# KiCad board DFTBoard.kicad_pcb (continued)
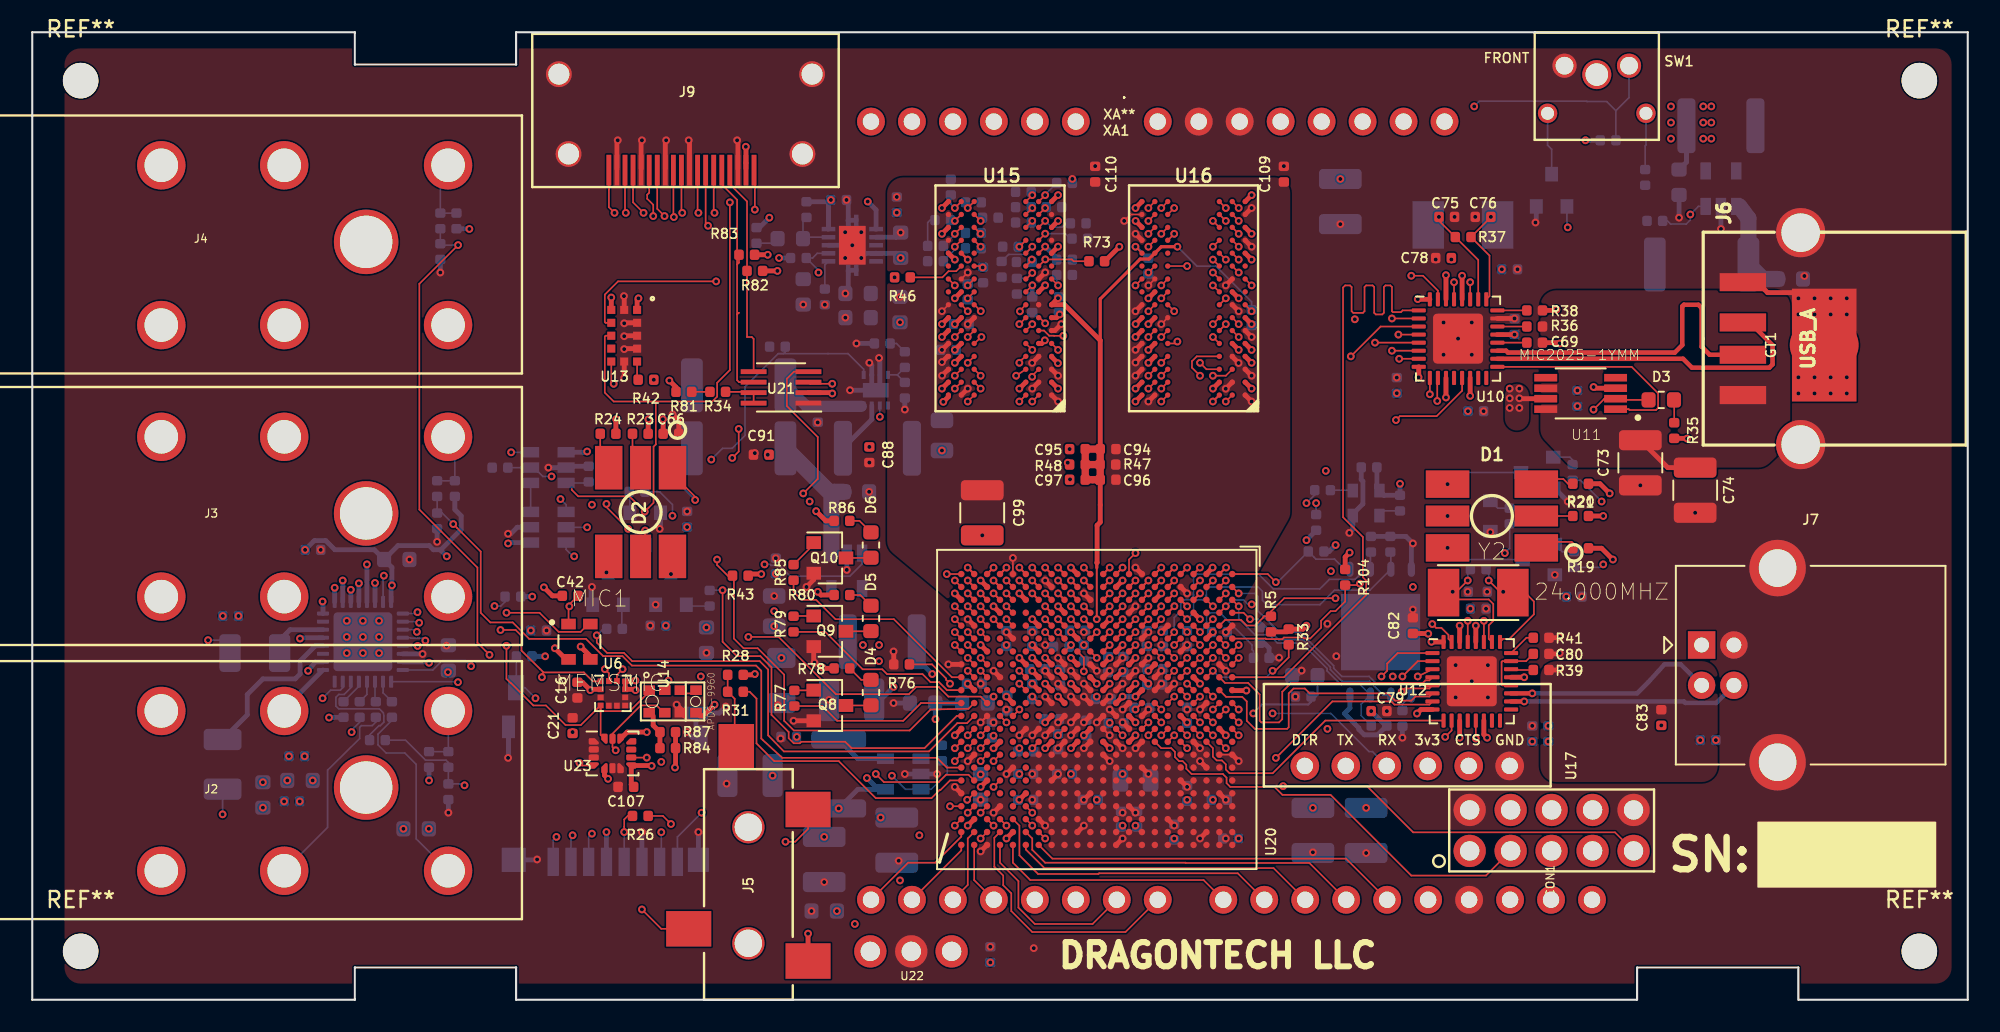
[diagram p0: board, top side]
## Routing (per net, layer and track width the routed paths; a pad name or vN(x,y) marks a point on that pad's centre or on a via; arc(x,y) is an arc through that point) (continued)
  SIGNAL4 w0.102: v1(73.2,44.3) 70.4,41.5 70.4,36.65 65.16,31.41 64.47,30.72 64.45,30.7 64.42,30.69 64.39,30.68 64.36,30.68 64.32,30.69 64.3,30.7 64.27,30.72 64.14,30.85 64.11,30.87 64.09,30.89 64.06,30.89 64.02,30.89 63.99,30.89 63.97,30.87 63.94,30.85 63.86,30.77 63.84,30.74 63.82,30.72 63.82,30.68 63.82,30.65 63.82,30.62 63.84,30.59 63.86,30.57 64.32,30.11 64.34,30.08 64.35,30.05 64.36,30.02 64.36,29.99 64.35,29.96 64.34,29.93 64.32,29.91 64.24,29.82 64.21,29.8 64.18,29.79 64.15,29.78 64.12,29.78 64.09,29.79 64.06,29.8 64.04,29.82 63.57,30.29 63.55,30.31 63.52,30.32 63.49,30.33 63.46,30.33 63.43,30.32 63.4,30.31 63.38,30.29 63.29,30.2 63.27,30.18 63.26,30.15 63.25,30.12 63.25,30.09 63.26,30.06 63.27,30.03 63.29,30 63.75,29.54 63.77,29.52 63.79,29.49 63.79,29.46 63.79,29.43 63.79,29.4 63.77,29.37 63.75,29.34 63.67,29.26 63.65,29.24 63.62,29.22 63.59,29.22 63.56,29.22 63.52,29.22 63.5,29.24 63.47,29.26 63.01,29.72 62.98,29.74 62.95,29.75 62.92,29.76 62.89,29.76 62.86,29.75 62.83,29.74 62.81,29.72 62.72,29.64 62.71,29.61 62.69,29.58 62.68,29.55 62.68,29.52 62.69,29.49 62.71,29.46 62.72,29.44 63.19,28.97 63.21,28.95 63.22,28.92 63.23,28.89 63.23,28.86 63.22,28.83 63.21,28.8 63.19,28.78 63.1,28.69 63.08,28.67 63.05,28.66 63.02,28.65 62.99,28.65 62.96,28.66 62.93,28.67 62.91,28.69 62.77,28.82 62.75,28.84 62.72,28.86 62.69,28.87 62.66,28.87 62.63,28.86 62.6,28.84 62.57,28.82 62.4,28.65 62.4,24.95 62.55,24.8 63.05,24.8 63.2,24.65 63.2,24 v1(62.8,23.6)
  BOTTOM w0.3: R69.1 62,44.3 v1(62,44.31)
DDR3_VTT: length 3.4
  TOP_GND w0.3: 67.35,46.75 v1(67.4,46.7) 66.5,45.8 R73.2
  BOTTOM w0.102: R57.2 55.67,48.35 55.51,48.19 R55.2 ; 58.09,46.7 58,46.78
DDR3_VTT_EN: length 67.7
  TOP_GND w0.102: U20.B6 73.6,22.38 v1(73.98,22)
  SIGNAL4 w0.102: v1(73.98,22) 73.98,22.07 74.52,22.6 75.09,22.6 75.89,23.41 75.89,23.79 75.56,24.12 75.42,24.12 75.21,24.33 75.21,24.71 75.51,25 75.51,25.71 80.9,31.1 80.9,46.31 76.91,50.3 63.3,50.3 63.2,50.4 53.62,50.4 51.01,47.79 51.01,47.54 48.75,45.28 v1(48.75,45.1)
  BOTTOM w0.102: U8.7 48.67,46.29 48.38,46 R25.2 48.75,45.24 v1(48.75,45.1)
DDR3_WE#: length 41.8
  TOP_GND w0.102: U16.L3 v1(73.2,45.9) ; U15.L3 61.97,45.87
  TOP_GND w0.13: U20.R4 v1(62.8,24.4)
  SIGNAL4 w0.102: v1(62.8,24.4) 62.2,24.4 61.6,25 61.6,28.93 69.6,36.92 69.6,42.08 72.65,45.13 72.65,45.35 v1(73.2,45.9) 70.5,45.9 70.1,45.5 68.1,45.5 68.06,45.51 68.01,45.52 67.98,45.54 67.94,45.58 67.92,45.61 67.91,45.66 67.9,45.7 67.9,45.79 67.89,45.83 67.88,45.88 67.86,45.91 67.82,45.95 67.79,45.97 67.74,45.98 67.7,45.99 67.66,45.98 67.61,45.97 67.58,45.95 67.54,45.91 67.52,45.88 67.51,45.83 67.5,45.79 67.5,45.21 67.49,45.17 67.48,45.12 67.46,45.09 67.42,45.05 67.39,45.03 67.34,45.02 67.3,45.01 67.26,45.02 67.21,45.03 67.18,45.05 67.14,45.09 67.12,45.12 67.11,45.17 67.1,45.21 67.1,45.3 67.09,45.34 67.08,45.39 67.06,45.42 67.02,45.46 66.99,45.48 66.94,45.49 66.9,45.5 62.95,45.5 62.93,45.52 62.62,45.52 62.3,45.84 62.04,45.84 v1(61.97,45.91)
HDMI_B_N: length 42.7
  TOP_GND w0.102: U20.AA8 v1(58,21.2) ; J9.3 36.75,48.85 v1(36.8,48.8)
  SIGNAL1 w0.102: v1(36.8,48.8) 36.45,48.45 36.45,47.1 36.7,46.85 37.93,46.85 41.4,43.39 41.4,35.8 42.91,34.29 42.91,33.31 55.35,20.87 56.27,20.87 56.6,21.2 v1(58,21.2)
HDMI_B_P: length 43.4
  TOP_GND w0.102: v1(36.1,48.8) 35.75,49.15 35.75,50.25 ; 35.75,50.25 J9.1 ; 35.75,50.25 35.75,50.45 ; U20.AA9 v1(58,20.4)
  SIGNAL1 w0.102: v1(36.1,48.8) 36.1,46.85 36.3,46.65 37.85,46.65 41.2,43.3 41.2,35.72 42.71,34.21 42.71,33.22 55.26,20.66 56.35,20.66 56.62,20.4 v1(58,20.4)
HDMI_CEC: length 36.8
  TOP_GND w0.102: v1(41.9,48) 41.75,48.15 J9.13 ; U20.W5 v1(59.6,23.6)
  SIGNAL1 w0.102: v1(41.9,48) 44.2,45.7 44.2,37.62 57.02,24.8 58.18,24.8 58.41,24.57 58.41,24.21 58.63,23.99 59.21,23.99 v1(59.6,23.6)
HDMI_CLK_N: length 42.2
  TOP_GND w0.102: J9.12 41.25,48.85 v1(41.3,48.8) ; U20.Y8 v1(58.8,21.2)
  SIGNAL2 w0.102: v1(41.3,48.8) 41.3,48.4 40.9,48 40.9,36.99 42.89,34.99 45.31,34.99 49.32,30.98 49.32,26.55 54.28,21.59 58.41,21.59 v1(58.8,21.2)
HDMI_CLK_P: length 42.8
  TOP_GND w0.102: J9.10 40.25,48.85 v1(40.3,48.8) ; U20.Y9 v1(58.8,20.4)
  SIGNAL2 w0.102: v1(58.8,20.4) 58.39,20.81 57.37,20.81 56.79,21.39 54.19,21.39 49.12,26.46 49.12,30.89 ; 49.12,30.89 49.11,30.89 ; 49.12,30.89 46.91,33.11 46.89,33.11 45.21,34.79 42.81,34.79 40.7,36.9 40.7,48 40.3,48.4 v1(40.3,48.8)
HDMI_G_N: length 41.2
  TOP_GND w0.102: v1(38.5,48.6) 38.5,49.3 38.12,49.67 38.12,49.92 38.25,50.05 J9.6 ; U20.AA6 v1(58,22.8)
  SIGNAL1 w0.102: v1(38.5,48.6) 38.5,47.65 42.5,43.65 42.5,42.22 42.38,42.1 42.25,42.1 42.2,42.05 42.2,41.85 42.25,41.8 42.61,41.8 42.65,41.8 42.69,41.78 42.73,41.76 42.76,41.73 42.78,41.69 42.79,41.65 42.8,41.61 42.8,41.28 42.79,41.24 42.78,41.2 42.76,41.17 42.73,41.14 42.69,41.11 42.65,41.1 42.61,41.1 42.29,41.1 42.2,41.01 42.2,40.9 42.3,40.8 42.61,40.8 42.65,40.8 42.69,40.78 42.73,40.76 42.76,40.73 42.78,40.69 42.79,40.65 42.8,40.61 42.8,40.28 42.79,40.24 42.78,40.2 42.76,40.17 42.73,40.14 42.69,40.11 42.65,40.1 42.61,40.1 42.5,40.1 42.5,39.33 42.5,35.6 55.7,22.4 57.6,22.4 v1(58,22.8)
HDMI_G_P: length 42
  TOP_GND w0.102: v1(37.9,48.8) 37.25,49.45 J9.4 ; v1(58,22) U20.AA7
  SIGNAL1 w0.102: v1(37.9,48.8) 37.9,47.96 42.3,43.57 42.3,42.3 42.18,42.3 42.14,42.3 42.1,42.28 42.06,42.26 42.03,42.23 42.01,42.19 42,42.15 41.99,42.11 41.99,41.78 42,41.74 42.01,41.7 42.03,41.67 42.06,41.64 42.1,41.61 42.14,41.6 42.18,41.6 42.5,41.6 42.59,41.5 42.59,41.39 42.5,41.3 42.19,41.3 42.14,41.3 42.1,41.28 42.07,41.26 42.04,41.23 42.02,41.19 42,41.15 42,41.11 42,40.78 42,40.74 42.02,40.7 42.04,40.67 42.07,40.64 42.1,40.61 42.14,40.6 42.19,40.6 42.5,40.6 42.59,40.51 42.59,40.34 42.55,40.3 42.41,40.3 42.29,40.18 42.29,39.7 42.29,35.52 56.2,21.61 57.62,21.61 58,21.99 v1(58,22)
HDMI_HEAC_N: length 41.1
  TOP_GND w0.102: 44.75,50.55 44.8,50.5 v1(44.8,49) ; U20.AB6 v1(57.2,22.8)
  SIGNAL2 w0.102: 46.41,35.62 46.07,35.95 ; 46.41,35.62 46.07,35.95 ; 46.41,35.62 46.41,35.45 ; 46.41,35.62 46.41,35.45 ; 46.07,35.95 45.9,35.95 45.59,35.64 45.53,35.64 45.44,35.74 45.44,35.89 45.66,36.11 45.7,36.16 45.7,36.33 45.36,36.66 45.19,36.66 44.93,36.4 44.78,36.4 44.71,36.47 44.71,36.56 44.7,36.56 44.7,36.9 43.7,37.9 43.7,47.9 v1(44.8,49) ; 46.41,35.45 46.21,35.25 46.2,35.26 46.06,35.12 46.28,34.9 46.58,35.2 46.81,35.2 47.09,34.92 47.09,34.72 46.86,34.49 46.85,34.49 46.85,34.32 46.98,34.19 47.28,34.49 47.52,34.49 47.77,34.24 47.77,33.99 47.56,33.78 47.56,33.61 47.63,33.55 47.75,33.55 47.79,33.59 47.79,33.59 47.97,33.76 48.25,33.76 48.46,33.55 48.46,33.13 51.2,30.4 51.2,26.6 55,22.8 v1(57.2,22.8) ; 46.41,35.45 46.24,35.28
HDMI_HEAC_P: length 41.7
  TOP_GND w0.102: v1(42.3,48.8) 42.25,48.85 J9.14 ; U20.AB7 v1(57.2,22)
  SIGNAL2 w0.102: v1(42.3,48.8) 43.5,47.6 43.5,37.82 44.5,36.81 44.5,36.39 44.7,36.2 45.02,36.2 45.21,36.38 45.35,36.38 45.43,36.31 45.43,36.17 45.35,36.09 45.23,35.97 45.23,35.65 45.45,35.44 45.67,35.44 45.93,35.69 46.05,35.69 46.15,35.59 46.15,35.48 46.13,35.46 46.11,35.46 45.85,35.2 45.85,35.03 46.19,34.7 46.36,34.7 46.66,35 46.73,35 46.89,34.84 46.89,34.81 46.88,34.81 46.56,34.49 46.56,34.32 46.9,33.99 47.07,33.99 47.24,34.16 47.24,34.16 47.37,34.29 47.44,34.29 47.57,34.16 47.57,34.07 47.54,34.05 47.53,34.05 47.27,33.79 47.27,33.62 47.6,33.28 47.77,33.28 48.05,33.56 48.17,33.56 48.26,33.47 48.26,33.05 51,30.32 51,26.52 55.51,22 v1(57.2,22)
HDMI_R_N: length 41
  TOP_GND w0.102: U20.Y5 v1(58.8,23.6) ; v1(39.78,48.54) 39.75,48.57 J9.9
  SIGNAL1 w0.102: 58.73,23.6 v1(58.8,23.6) 58.58,23.6 58.18,24 56.09,24 51.5,28.58 51.5,28.88 49.48,30.91 49.48,31.33 49.11,31.7 48.94,31.7 48.67,31.43 48.55,31.43 48.45,31.53 48.45,31.6 48.55,31.7 48.55,31.71 48.74,31.9 48.74,32.07 48.4,32.41 48.23,32.41 47.99,32.18 47.99,32.17 47.95,32.12 47.85,32.12 47.76,32.21 47.76,32.34 48.03,32.61 48.03,32.78 47.69,33.12 47.52,33.12 47.4,33 47.28,32.88 47.1,32.88 47.01,32.97 47.01,33 47.03,33.02 47.12,33.11 47.12,33.28 45.24,35.14 43.5,36.89 43.5,45.79 41.64,47.64 40.67,47.64 v1(39.78,48.54)
HDMI_R_P: length 42.2
  TOP_GND w0.102: v1(39.2,48.6) 38.75,49.05 J9.7 ; U20.Y6 v1(58.8,22.8)
  SIGNAL1 w0.102: 48.22,31.67 48.21,31.63 48.2,31.59 48.2,31.55 48.21,31.51 48.22,31.47 48.25,31.44 48.49,31.2 48.52,31.18 48.56,31.16 48.6,31.15 48.64,31.15 48.68,31.16 48.72,31.18 48.75,31.2 48.89,31.35 48.89,31.36 49.03,31.49 49.25,31.27 49.17,31.19 49.14,31.16 49.12,31.12 49.11,31.08 49.11,31.04 49.12,31 49.14,30.97 49.17,30.93 51.3,28.8 51.3,28.5 56.61,23.19 58.41,23.19 v1(58.8,22.8) ; 48.22,31.67 48.22,31.68 48.5,31.95 48.5,32.02 48.37,32.15 48.28,32.15 48.04,31.91 48.01,31.89 47.97,31.87 47.93,31.86 47.89,31.86 47.85,31.87 47.81,31.89 47.78,31.91 47.54,32.15 47.52,32.18 47.5,32.22 47.49,32.26 47.49,32.3 47.5,32.34 47.52,32.38 47.54,32.41 47.65,32.52 47.66,32.52 47.75,32.61 47.75,32.75 47.71,32.81 47.5,32.81 47.47,32.78 47.48,32.76 47.33,32.62 47.3,32.59 47.26,32.58 47.22,32.57 47.18,32.57 47.14,32.58 47.1,32.59 47.07,32.62 46.84,32.86 46.81,32.89 46.79,32.93 46.78,32.97 46.78,33.01 46.79,33.05 46.81,33.08 46.84,33.12 46.92,33.2 45.1,35 43.3,36.8 43.3,45.7 41.6,47.4 40.34,47.4 39.2,48.54 v1(39.2,48.6) ; 48.22,31.67 48.25,31.7
HPCOM_N: length 9.8
  BOTTOM w0.3: U9.20 17.55,21.95 16.61,21.01 16.61,20.21 16.3,19.9 14.3,19.9 13.33,18.93 13.33,17.67 C48.1
HPCOM_P: length 3
  BOTTOM w0.3: 15.34,22.3 15.99,22.95 U9.22
I2C5_HDMI_SCLK: length 15.3
  TOP_GND w0.102: 43.7,42.5 43.7,38.42 43.82,38.3 44.72,38.3 ; 43.7,42.5 43.7,45.6 ; 43.7,42.5 43.8,42.6 43.81,42.6 ; 43.7,45.6 43.81,45.72 R83.2 ; 43.7,45.6 43.7,49.61 42.75,50.56 J9.15
I2C5_HDMI_SDA: length 14.1
  TOP_GND w0.102: 44.31,44.42 44.31,49.51 43.25,50.57 J9.16 ; 44.31,44.42 44.31,41.1 44.61,41.1 44.72,40.98 44.72,38.95 ; 44.31,44.42 R82.2
I2C33_HDMI_SCLK: length 30.4
  TOP_GND w0.102: v1(49.6,38.2) 48.22,38.2 U21.3 ; U20.U9 v1(61.2,20.4)
  SIGNAL2 w0.102: v1(48.2,30.9) 48.2,29.54 48.32,29.42 48.32,26.97 52.89,22.4 52.89,21.53 53.23,21.18 55.4,21.18 56.58,20 60.8,20 v1(61.2,20.4)
  SIGNAL4 w0.102: v1(49.6,38.2) 48.2,36.8 v1(48.2,30.9)
I2C33_HDMI_SDA: length 32.4
  TOP_GND w0.102: U21.4 47.22,38.95 46.79,38.51 46.79,36.81 48.7,34.9 48.7,32.3 v1(47.8,31.4) ; U20.U10 v1(61.2,19.6)
  SIGNAL2 w0.102: v1(47.8,31.4) 47.41,31.01 47.41,27.19 48.78,25.82 48.78,25.8 52.11,22.47 52.11,21.81 52.31,21.61 52.52,21.61 54.93,19.2 60.8,19.2 v1(61.2,19.6)
I2C33_SCLK: length 165.6
  TOP_GND w0.102: v1(42.4,44.55) 36.32,44.55 35.5,43.73 35.5,42.03 35.55,41.98 U13.10 ; v1(43.8,35.4) 43.8,34 v1(43.4,33.6) ; 31.7,20.3 34.2,20.3 34.75,19.75 U6.1 ; 31.7,20.3 31.5,20.5 30.33,21.65 30.33,22.57 29.97,22.93 v1(29.03,22.93) ; 31.7,20.3 31.6,20.2 v1(31.6,20) ; U14.7 39.16,17.8 38.7,18.25 37.73,18.25 35.98,16.5 U23.13 35.98,15.67 v1(36.17,15.47) ; U20.C5 v1(73.2,23.6)
  SIGNAL2 w0.102: 79.6,31.1 79.6,31 ; 79.6,31.1 v1(79.6,30.8) ; 79.6,31.1 79.6,44.5 89.01,53.91 89.01,55.29 88.3,56 51.8,56 49.28,53.47 49.28,51.53 47.75,50 42.56,50 41.91,49.34 41.91,48.61 42.4,48.12 v1(42.4,44.55) 42.4,39.2 42.5,39.1 42.5,36.7 v1(43.8,35.4) ; v1(36.17,15.47) 31.64,20 v1(31.6,20) ; v1(27.21,20.69) 27.21,21.55 28.59,22.93 v1(29.03,22.93) 29.79,23.69 29.79,24.49 32.41,27.11 33.79,27.11 39.79,33.11 42.29,33.11 42.49,33.31 42.49,33.69 42.78,33.41 42.78,32.97 v1(43.4,33.6)
  SIGNAL4 w0.102: v1(73.2,23.6) 73.61,24.01 73.61,24.59 73.82,24.8 74.3,24.8 74.41,24.91 74.41,25.59 79.6,30.79 v1(79.6,30.8)
  BOTTOM w0.102: v1(27.21,20.69) 26.87,21.03 25.41,21.03 24.84,20.45 U9.8 ; R103.2 v1(79.6,30.8)
I2C33_SDA: length 146.1
  TOP_GND w0.102: 38.65,37.1 36.05,37.1 35.5,37.65 35.5,41.13 35.55,41.18 U13.9 ; 38.65,37.1 38.66,37.09 38.66,34.44 38.52,34.3 38.52,30.82 v1(37.97,30.27) 37.02,31.22 33.85,31.22 33.45,31.62 33.45,31.68 ; 38.65,37.1 42.16,37.1 42.46,37.4 42.46,38.26 43.25,39.05 v1(43.25,49.45) ; U23.14 35.24,16.43 U6.4 ; U6.4 35.22,18.25 34.01,17.04 33.06,17.04 31.85,18.25 31.07,18.25 29.69,19.63 29.67,19.63 29.4,19.9 v1(29.4,21.95) ; U6.4 35.24,17.97 35.31,17.9 37.05,17.9 38.05,18.9 38.4,18.9 38.5,19 ; U20.A6 76.47,22.4 76.5,22.37 77.51,22.37 77.6,22.46 78.81,22.46 78.86,22.41 79.24,22.41 79.91,23.08 79.91,23.5 80.5,24.1 80.8,24.1 81.4,24.7 81.4,25.72 82.22,25.72 v1(82.31,25.81)
  SIGNAL2 w0.102: v1(37.97,30.27) 37.27,30.27 v1(29.4,21.95) 27.9,21.95 27.6,21.65 27.6,20.44 26.85,19.69 v1(26.39,19.69)
  SIGNAL4 w0.102: v1(43.25,49.45) 45.07,51.28 48.88,51.28 49.7,52.1 76.52,52.1 81.9,46.72 81.9,42.68 81.6,42.38 81.6,40.9 82.31,40.19 v1(82.31,25.81)
  BOTTOM w0.102: v1(26.39,19.69) 26.36,19.72 U9.9
I2S_ADCSD: length 40.8
  TOP_GND w0.102: U20.AB15 v1(57.2,14.8)
  SIGNAL1 w0.102: v1(57.2,14.8) 39.9,14.8 38.65,16.05 24.95,16.05 23.6,17.4 23.6,21.65 v1(23.89,21.94)
  BOTTOM w0.102: U9.5 23.88,21.95 v1(23.89,21.94)
I2S_BCLK: length 39.4
  TOP_GND w0.102: U20.AA13 v1(58,16.4)
  SIGNAL1 w0.102: v1(23.99,23.38) 24.63,23.38 25.36,22.65 25.55,22.65 26.81,21.39 26.81,20.5 27.02,20.29 27.66,20.29 30.15,17.8 33.08,17.8 33.09,17.79 47.29,17.79 49.08,16 57.6,16 v1(58,16.4)
  BOTTOM w0.102: U9.2 23.92,23.45 v1(23.99,23.38)
I2S_DACSD: length 40.1
  TOP_GND w0.102: U20.AA14 v1(58,15.6)
  SIGNAL1 w0.102: v1(24.37,22.27) 29.15,17.5 29.65,17 39.15,17 40.95,15.2 56.5,15.2 ; 56.5,15.2 57.6,15.2 v1(58,15.6) ; 56.5,15.2 56.8,15.2 ; 57.1,15.2 56.8,15.2 ; 56.8,15.2 57.5,15.2
  BOTTOM w0.102: U9.4 23.45,22.45 23.48,22.42 24.22,22.42 v1(24.37,22.27)
I2S_LRCLK: length 38.3
  TOP_GND w0.102: U20.AB14 v1(57.2,15.6)
  SIGNAL1 w0.102: v1(57.2,15.6) 47.52,15.6 47.01,16.11 47.01,16.39 46,17.4 29.81,17.4 27.12,20.09 26.93,20.09 25.5,21.53 25.5,21.57 25.16,21.9 25.16,22.4 24.75,22.81 v1(23.85,22.81)
  BOTTOM w0.102: U9.3 23.71,22.95 v1(23.85,22.81)
I2S_MCLK: length 41.4
  TOP_GND w0.102: U20.Y13 v1(58.8,16.4)
  SIGNAL1 w0.102: 49.44,17.69 48.33,18.8 38.38,18.8 38.18,18.6 36.7,18.6 34.9,20.4 28.71,20.4 26.05,23.06 25.24,23.06 24.26,24.04 v1(23.88,24.04) ; 49.44,17.69 51.09,17.69 ; 49.44,17.69 51.09,17.69 ; v1(58.8,16.4) 58.41,16.79 57.61,16.79 57.6,16.8 55.6,16.8 54.71,17.69 51.09,17.69
  BOTTOM w0.102: U9.1 23.8,23.95 v1(23.88,24.04)
IMU_INT1: length 34.6
  TOP_GND w0.102: U23.4 34.09,14.52 v1(33.92,14.69) ; U20.W15 v1(59.6,14.8)
  SIGNAL1 w0.102: v1(39,14.75) 39,14.41 38.7,14.11 37.33,14.11 36.74,14.69 v1(33.92,14.69)
  SIGNAL2 w0.102: v1(59.6,14.8) 59.21,14.41 55.38,14.41 54.27,13.3 51.62,13.3 51.3,13.62 51.3,15.29 47.4,19.19 42.13,19.19 39.24,16.3 39.24,14.99 v1(39,14.75)
IMU_INT2: length 27.8
  TOP_GND w0.102: v1(38.1,15.02) 37.15,15.02 U23.9 ; U20.Y15 v1(58.8,14.8)
  SIGNAL2 w0.102: v1(38.1,15.02) 38.1,15.45 42.05,19.4 47.49,19.4 52.69,14.19 52.69,13.92 53.11,13.5 54.18,13.5 55.89,15.21 58.39,15.21 v1(58.8,14.8)
INIT_B: length 0.6
  TOP_GND w0.13: U20.T14 v1(62,15.6)
IR_RX: length 13.4
  TOP_GND w0.102: U20.AA18 58,12.4
  SIGNAL1 w0.102: v1(57.97,12.4) 55.92,12.4 53.89,10.37 53.89,9.61 53.33,9.04 53.33,4.62 51.96,3.25
JD_HOUT: length 18.3
  TOP_GND w0.102: U20.AB17 56.9,13.6 56.3,13 56.25,13 55.75,12.5 52.3,12.5 50,14.8 46,14.8 44.9,15.9 44.9,18.68 44.48,19.1 R31.1
JD_IN: length 40.6
  TOP_GND w0.102: U20.W17 v1(59.6,13.2)
  SIGNAL1 w0.102: v1(26.8,13.3) 27.3,12.8 59.2,12.8 v1(59.6,13.2)
  BOTTOM w0.102: v1(26.8,13.3) 26.72,13.38 25.8,13.38 R18.1 25.8,14.71 25.65,14.86 24.38,14.86 23.14,16.1 R105.2
JD_LOUT: length 44.7
  TOP_GND w0.102: U20.AB16 56.7,14.4 56.1,15 46.5,15 45.3,16.1 45.2,16.2 45.2,20.38 45.15,20.45 44.88,20.72 37.18,20.72 36.6,21.31 35.4,21.31 34.33,22.38 30.81,22.38 29.79,23.4 28.4,23.4 27.8,24 27.8,27.8 v1(26.1,29.5)
  BOTTOM w0.102: v1(26.1,29.5) 25.42,30.19 C63.1 25.1,31.22
JD_ROUT: length 65.6
  TOP_GND w0.102: v1(26.4,46.8) 24,44.4 24,30.4 27.6,26.8 27.6,22.14 v1(28.35,21.39) ; U20.AB19 v1(56.9,12)
  SIGNAL2 w0.102: v1(56.9,12) 56,12 53.3,9.3 42.98,9.3 30.89,21.39 v1(28.35,21.39)
  BOTTOM w0.102: R32.1 C64.1 25.39,46.8 v1(26.4,46.8)
LCD_D0: length 7.5
  TOP_GND w0.102: XA1.D0 54.3,8.5 55.98,8.5 57.6,10.12 U20.AB21
LCD_D1: length 4.7
  TOP_GND w0.102: XA1.D1 57.6,9.26 U20.AB22
LCD_D2: length 37.5
  TOP_GND w0.102: U20.U19 v1(62,11.6)
  SIGNAL1 w0.102: v1(62,11.6) 62.41,11.19 62.99,11.19 64.2,9.98 64.22,9.98 65.1,9.1 69.8,9.1 70.6,8.3 87,8.3 87.7,7.6 95.3,7.6 XA1.SCL
LCD_D3: length 38.2
  TOP_GND w0.102: U20.W20 v1(60.4,10.8)
  SIGNAL1 w0.102: XA1.SDA 92.76,4.8 66.7,4.8 66,5.5 66,6.9 65.5,7.4 64.5,7.4 63.6,8.3 62.9,8.3 v1(60.4,10.8)
LCD_D4: length 41.2
  TOP_GND w0.102: U20.V5 v1(60.4,23.6)
  SIGNAL2 w0.102: XA1.A5 50,52.46 50,49.5 51.46,48.04 51.54,48.04 51.79,47.79 51.79,45.79 51.6,45.6 51.6,40.4 50.3,39.1 50.3,32.1 52.3,30.1 52.3,26.5 55.6,23.2 55.9,23.2 55.91,23.21 60.01,23.21 v1(60.4,23.6)
LCD_D5: length 36.8
  TOP_GND w0.102: U20.AB5 v1(57.2,23.6)
  SIGNAL2 w0.102: XA1.A4 53.28,53.2 52.2,53.2 51.1,52.1 51.1,48.8 52.1,47.8 52.1,40.8 53,39.9 53,26.5 55.9,23.6 v1(57.2,23.6)
LCD_D6: length 35.6
  TOP_GND w0.102: U20.AB4 v1(57.2,24.4)
  SIGNAL2 w0.102: v1(57.2,24.4) 56,24.4 53.6,26.8 53.6,36 53.4,36.2 53.4,40.2 52.6,41 52.6,50.8 54.9,53.1 55.72,53.1 XA1.A3
LCD_D7: length 37.5
  TOP_GND w0.102: U20.AA4 v1(58,24.4)
  SIGNAL2 w0.102: XA1.A2 58.06,52.9 55.7,52.9 53.07,50.27 53.07,40.93 53.7,40.3 53.7,36.42 53.9,36.22 53.9,27.2 56.3,24.8 57.6,24.8 v1(58,24.4)
LCD_D8: length 39.4
  TOP_GND w0.102: U20.Y4 v1(58.8,24.4)
  SIGNAL2 w0.102: XA1.A1 60,52.3 56.2,52.3 54.3,50.4 54.3,45.5 54.19,45.39 54.19,37.11 54.49,36.81 54.49,36.41 54.3,36.22 54.3,27.4 56.09,25.61 58.17,25.61 58.41,25.37 58.41,24.79 v1(58.8,24.4)
LCD_D9: length 37.9
  TOP_GND w0.102: U20.AB2 v1(57.2,26)
  SIGNAL2 w0.102: v1(57.2,26) 56.4,26 54.7,27.7 54.7,49.9 56.6,51.8 62.04,51.8 XA1.A0
LCD_D10: length 33.6
  TOP_GND w0.102: U20.U20 v1(62,10.8)
  SIGNAL1 w0.102: v1(62,10.8) 62.4,10.4 62.4,9.6 62.8,9.2 63.6,9.2 65.1,7.7 69.8,7.7 72.5,5 90.42,5 XA1.AREF
LCD_D11: length 4.7
  TOP_GND w0.102: XA1.D2 58,7.12 58,10 U20.AA21
LCD_D12: length 3.9
  TOP_GND w0.102: XA1.D3 58.4,7.42 U20.AA22
LCD_D13: length 5.8
  TOP_GND w0.102: U20.Y21 v1(58.8,10)
  SIGNAL1 w0.102: 59.19,9.61 59.2,9.6 ; 59.19,9.61 59.19,9.12 61.25,7.06 61.3,7.06 XA1.D4 ; 59.19,9.61 v1(58.8,10)
LCD_D14: length 7.9
  TOP_GND w0.102: U20.Y20 v1(59.6,10.8)
  SIGNAL1 w0.102: v1(59.6,10.8) 60,10.4 60,10.3 60.01,10.29 60.01,9.81 62.12,7.7 63.2,7.7 XA1.D5
LCD_D15: length 11.5
  TOP_GND w0.102: XA1.D6 65.74,4.7 62.16,4.7 61.14,5.71 61.14,7.36 60,8.5 U20.W22
LCD_D16: length 15.9
  TOP_GND w0.102: U20.W21 59.65,10.05 59.65,8.25 59.65,8.25 60.2,7.7 60.2,7.1 60.7,6.6 60.7,5.5 62,4.2 67.78,4.2 XA1.D7
LCD_D17: length 15.1
  TOP_GND w0.102: XA1.D8 72.62,7.42 61.88,7.42 60.8,8.5 U20.V22
LCD_D18: length 18.8
  TOP_GND w0.102: XA1.D9 74.74,7.84 66.14,7.84 66.1,7.8 62.36,7.8 61.2,8.95 61.2,10.8 U20.V20
LCD_D19: length 18.9
  TOP_GND w0.102: U20.U22 61.6,9.32 62.76,8.16 76.96,8.16 XA1.D10
LCD_D20: length 22
  TOP_GND w0.102: XA1.D11 79.18,8.48 71.52,8.48 71.5,8.5 62.8,8.5 62,9.3 62,10 U20.U21
LCD_D21: length 23
  TOP_GND w0.102: U20.T22 63.25,8.75 81.45,8.75 XA1.D12
LCD_D22: length 25.9
  TOP_GND w0.102: U20.T21 v1(62.8,10)
  SIGNAL1 w0.102: XA1.D13 85.17,7.57 70.53,7.57 69.7,8.4 65.1,8.4 63.74,9.76 63.04,9.76 v1(62.8,10)
LCD_D23: length 53.9
  TOP_GND w0.102: U20.AB1 v1(56.7,26.4)
  SIGNAL2 w0.102: XA1.RST1 79.32,51.3 68.1,51.3 68.1,51.3 57,51.3 55.3,49.6 55.3,27.8 v1(56.7,26.4)
LED_1B_CTRL: length 82.7
  TOP_GND w0.102: U20.Y19 v1(58.8,11.6)
  SIGNAL1 w0.102: v1(97.3,30.9) 96.8,30.4 96.8,22.5 101.7,17.6 101.7,6.6 99.4,4.3 62.27,4.3 61.71,4.86 59.46,4.86 58.3,6.02 58.3,6.8 56.41,8.69 56.41,10.59 57.02,11.2 58.4,11.2 v1(58.8,11.6)
  BOTTOM w0.102: R15.2 95.99,32.22 v1(97.3,30.9)
LED_1G_CTRL: length 76.1
  TOP_GND w0.102: U20.AB20 v1(57.2,10.8)
  SIGNAL1 w0.102: v1(91.3,27.7) 91.3,27.2 100.2,18.3 100.2,15.5 101,14.7 101,7 98.59,4.59 62.26,4.59 60.64,6.22 60.64,6.69 59.72,7.6 58.3,7.6 57.2,8.7 v1(57.2,10.8)
  BOTTOM w0.102: R13.2 91.6,28 v1(91.3,27.7)
LED_1R_CTRL: length 81.5
  TOP_GND w0.102: U20.AA19 v1(58,11.6)
  SIGNAL1 w0.102: v1(58,11.6) 56.31,11.6 55.41,10.7 55.41,6.84 55.8,6.44 55.8,5.98 56.59,5.18 58.63,5.18 59.45,4.35 61.92,4.35 62.28,4 100.2,4 102.4,6.2 102.4,17.7 97.4,22.7 v1(97.4,27)
  BOTTOM w0.102: R11.2 97.22,26.81 v1(97.4,27)
LED_2B_CTRL: length 30.7
  TOP_GND w0.102: U20.AA12 57.95,17.15 57.35,17.15 55.6,15.4 46.6,15.4 45.65,16.38 45.62,16.4 45.62,20.47 45.1,21 37.19,21 36.68,21.51 35.64,21.51 35,22.15 v1(35,22.6)
  BOTTOM w0.102: v1(35,22.6) 35.4,23 35.62,23
LED_2G_CTRL: length 29.1
  TOP_GND w0.102: U20.Y11 58.8,18.8 56.8,18.8 56.2,19.4 54.8,19.4 54.35,18.95 49.83,18.95 46.28,22.5 v1(44.4,22.5)
  SIGNAL2 w0.102: v1(39.69,30.01) 39.69,27.21 v1(44.4,22.5)
  BOTTOM w0.102: R14.2 38.9,31.5 39.69,30.71 v1(39.69,30.01)
LED_2R_CTRL: length 24.4
  TOP_GND w0.102: U20.AB12 57.32,17.6 55.32,15.6 50.8,15.6 50.4,16 47.68,16 47.59,15.91 47.21,15.91 46.9,16.22 46.9,16.6 45.83,17.67 45.83,20.62 45.14,21.31 43.69,21.31 42.8,22.2 v1(42.8,25.4)
  BOTTOM w0.102: 42,25.38 42.01,25.4 v1(42.8,25.4)
LOUT_N: length 6.8
  SIGNAL2 w0.3: v1(20.25,25.82) 20.01,26.06 20.01,26.09 19.01,27.09 16.71,27.09 15.62,26
  BOTTOM w0.3: 20.25,24.68 v1(20.25,25.82)
LOUT_P: length 7.2
  SIGNAL2 w0.3: 25.78,26 23.66,26 22.84,25.19 19.99,25.19 v1(19.75,25.43)
  BOTTOM w0.3: 19.75,24.68 v1(19.75,25.43)
PROGRAM_B: length 0.6
  TOP_GND w0.102: U20.T11 v1(62,18.8)
RF2_IRQ: length 140.9
  TOP_GND w0.102: 39.47,19 39.47,19.78 v1(39.45,19.8) ; v1(35.6,30.75) 35.6,30.55 v1(36.95,29.2) ; U20.E6 v1(70.8,22)
  SIGNAL2 w0.102: v1(35.6,30.75) 33.56,32.79 33.46,32.79 31.81,34.44 31.81,53.17 32.64,54 36.35,54 46.59,53.99 47.11,53.99 47.12,54 48.5,54 49.1,54.6 50.92,56.4 88.98,56.4 89.79,55.59 89.79,53.89 80.2,44.3 v1(80.2,32.8) ; v1(39.45,19.8) 36.95,22.3 v1(36.95,29.2)
  SIGNAL4 w0.102: v1(80.2,32.8) 80.1,32.7 80.1,30.72 75.27,25.89 75.19,25.89 75.19,25.01 74.99,24.81 74.63,24.81 74.41,24.59 74.41,23.31 74.3,23.2 73.82,23.2 73.61,22.99 73.61,22.63 73.39,22.41 71.21,22.41 v1(70.8,22)
RF_IRQ: length 40.4
  TOP_GND w0.102: R43.2 43.12,26.3 42.46,26.96 v1(42.46,27.3) ; v1(36.05,38.2) 35.9,38.35 U13.7 ; 43.5,26.22 43.5,22.4 44.1,21.8 44.98,21.8 46.62,20.16 46.62,17.3 47.22,16.7 54.4,16.7 55.7,18 58.05,18.05 U20.AA11
  SIGNAL1 w0.102: v1(42.46,27.3) 41.79,27.3 36.59,32.5 36.59,37.66 v1(36.05,38.2)
ROUT_N: length 23
  SIGNAL2 w0.3: J4.R 16.66,41.84 21.03,37.47 21.03,36.13 17.6,32.7 17.6,29.42 20.93,26.09 21.01,26.09 v1(21.25,25.85)
  BOTTOM w0.3: 21.25,24.68 v1(21.25,25.85)
ROUT_P: length 21.6
  SIGNAL2 w0.3: J4.T 21.43,37.49 21.43,35.97 18,32.53 18,29.6 20.28,27.32 20.42,27.32 v1(20.75,27)
  BOTTOM w0.3: 20.75,24.68 v1(20.75,27)
SD_CD: length 60.9
  TOP_GND w0.102: U20.A13 v1(74.8,16.4)
  SIGNAL2 w0.102: v1(31.2,18.7) 32.38,18.7 41.4,9.7 42,9.1 53.9,9.1 v1(55,10.2)
  SIGNAL4 w0.102: v1(74.8,16.4) 75.5,15.7 75.5,9.5 74.7,8.7 58.5,8.7 57,10.2 v1(55,10.2)
  BOTTOM w0.102: v1(31.2,18.7) 30.55,19.35 J8.9 30.01,19.37 R99.2
SD_CLK: length 3.2
  TOP_GND w0.102: 37.22,11.4 36.92,11.4 36.7,11.18 v1(36.7,10.4)
  BOTTOM w0.102: v1(36.7,10.4) J8.5
SD_CMD: length 69.9
  TOP_GND w0.102: U20.E9 v1(71.6,20.4)
  SIGNAL4 w0.102: v1(71.6,20.4) 71.7,20.3 71.92,20.3 72.21,20.01 72.29,20.01 72.3,20 75.77,20 76.51,19.27 76.51,16.01 76.48,15.99 76.48,8.38 75.8,7.7 56.2,7.7 56.11,7.8 51.6,7.8 50.6,6.8 45.9,6.8 45.83,6.81 45.77,6.83 45.71,6.87 45.67,6.91 45.63,6.97 45.61,7.03 45.59,7.17 45.57,7.23 45.53,7.29 45.49,7.33 45.43,7.37 45.37,7.39 45.3,7.4 44.9,7.4 44.83,7.39 44.77,7.37 44.71,7.33 44.67,7.29 44.63,7.23 44.61,7.17 44.6,7.1 44.6,6.5 44.59,6.43 44.57,6.37 44.53,6.31 44.49,6.27 44.43,6.23 44.37,6.21 44.3,6.2 43.9,6.2 43.83,6.21 43.77,6.23 43.71,6.27 43.67,6.31 43.63,6.37 43.61,6.43 43.6,6.5 43.6,7.1 43.59,7.17 43.57,7.23 43.53,7.29 43.49,7.33 43.43,7.37 43.37,7.39 43.3,7.4 42.9,7.4 42.83,7.39 42.77,7.37 42.71,7.33 42.67,7.29 42.63,7.23 42.61,7.17 42.6,7.1 42.6,6.8 42.6,6.5 42.59,6.43 42.57,6.37 42.53,6.31 42.49,6.27 42.43,6.23 42.37,6.21 42.3,6.2 41.9,6.2 41.83,6.21 41.77,6.23 41.71,6.27 41.67,6.31 41.63,6.37 41.61,6.43 41.59,6.57 41.57,6.63 41.53,6.69 41.49,6.73 41.43,6.77 41.37,6.79 41.3,6.8 40.1,6.8 39.7,7.2 39.7,9.6 40.3,10.2 40.3,10.8 39.79,11.29 35.69,11.29 v1(34.7,10.3)
  BOTTOM w0.102: J8.3 34.5,10.1 v1(34.7,10.3)
SD_D0: length 70.1
  TOP_GND w0.102: U20.A7 v1(74.8,22)
  SIGNAL4 w0.102: v1(39,10.39) 37.81,9.2 37.8,9.2 37.8,7.3 39.99,5.11 41.91,5.11 41.97,5.11 42.03,5.13 42.09,5.17 42.13,5.21 42.17,5.27 42.19,5.33 42.2,5.45 42.22,5.51 42.25,5.56 42.3,5.61 42.35,5.64 42.41,5.66 42.47,5.67 42.91,5.67 42.97,5.66 43.03,5.64 43.09,5.61 43.13,5.56 43.17,5.51 43.19,5.45 43.19,5.39 43.19,4.88 43.2,4.82 43.22,4.78 43.24,4.73 43.28,4.69 43.32,4.67 43.37,4.65 43.42,4.64 43.96,4.64 44.01,4.65 44.06,4.67 44.11,4.69 44.14,4.73 44.17,4.78 44.19,4.82 44.19,4.88 44.19,5.39 44.2,5.45 44.22,5.51 44.25,5.56 44.3,5.61 44.35,5.64 44.41,5.66 44.47,5.67 44.91,5.67 44.97,5.66 45.03,5.64 45.09,5.61 45.13,5.56 45.17,5.51 45.19,5.45 45.19,5.39 45.19,4.83 45.2,4.76 45.22,4.7 45.25,4.65 45.3,4.61 45.35,4.57 45.41,4.55 45.47,4.54 45.91,4.54 45.97,4.55 46.03,4.57 46.09,4.61 46.13,4.65 46.17,4.7 46.19,4.76 46.19,4.83 46.19,5.39 46.2,5.45 46.22,5.51 46.25,5.56 46.3,5.61 46.35,5.64 46.41,5.66 46.47,5.67 46.91,5.67 46.97,5.66 47.03,5.64 47.09,5.61 47.13,5.56 47.17,5.51 47.19,5.45 47.19,5.39 47.19,5.11 47.21,5.11 47.21,4.83 47.22,4.76 47.24,4.7 47.27,4.65 47.32,4.61 47.37,4.57 47.43,4.55 47.49,4.54 47.93,4.54 47.99,4.55 48.05,4.57 48.11,4.61 48.15,4.65 48.18,4.7 48.2,4.76 48.22,4.89 48.24,4.95 48.27,5 48.32,5.05 48.37,5.08 48.43,5.1 48.49,5.11 57.29,5.11 57.5,4.9 77.1,4.9 77.7,5.5 77.7,12.1 78.1,12.5 78.1,13.76 77.86,14 77.86,17.94 77.3,18.5 77.3,19.34 75.24,21.4 75.24,21.56 v1(74.8,22)
  BOTTOM w0.102: v1(39,10.39) 39,8.65 J8.7
